# KiCad board SparkFun_BlueSMiRF-ESP32_panelized.kicad_pcb
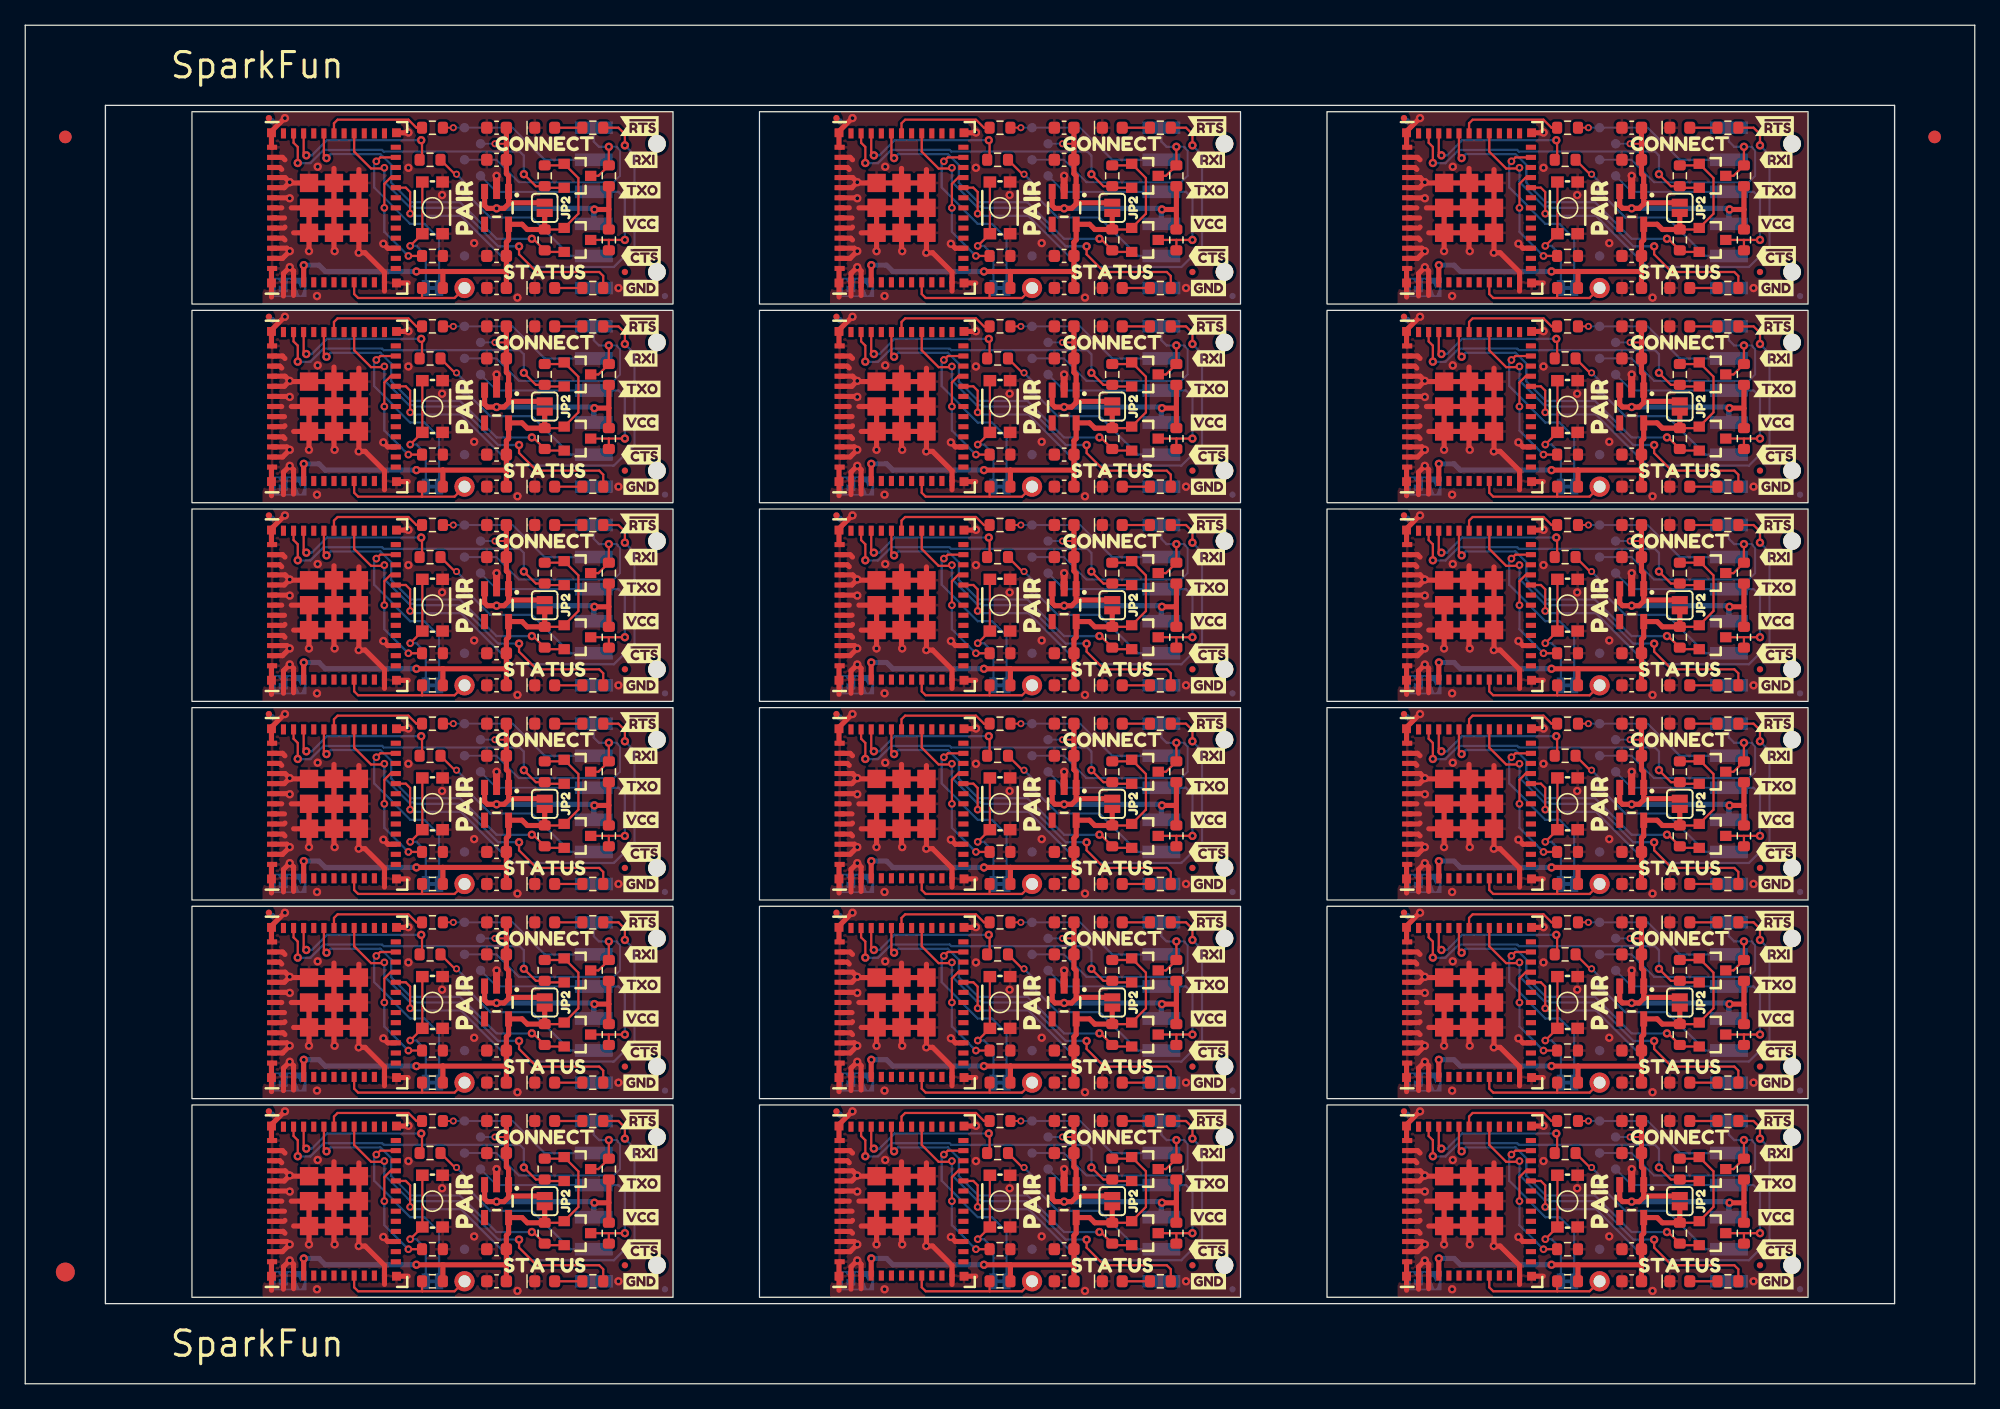
[diagram p0: board, top side]
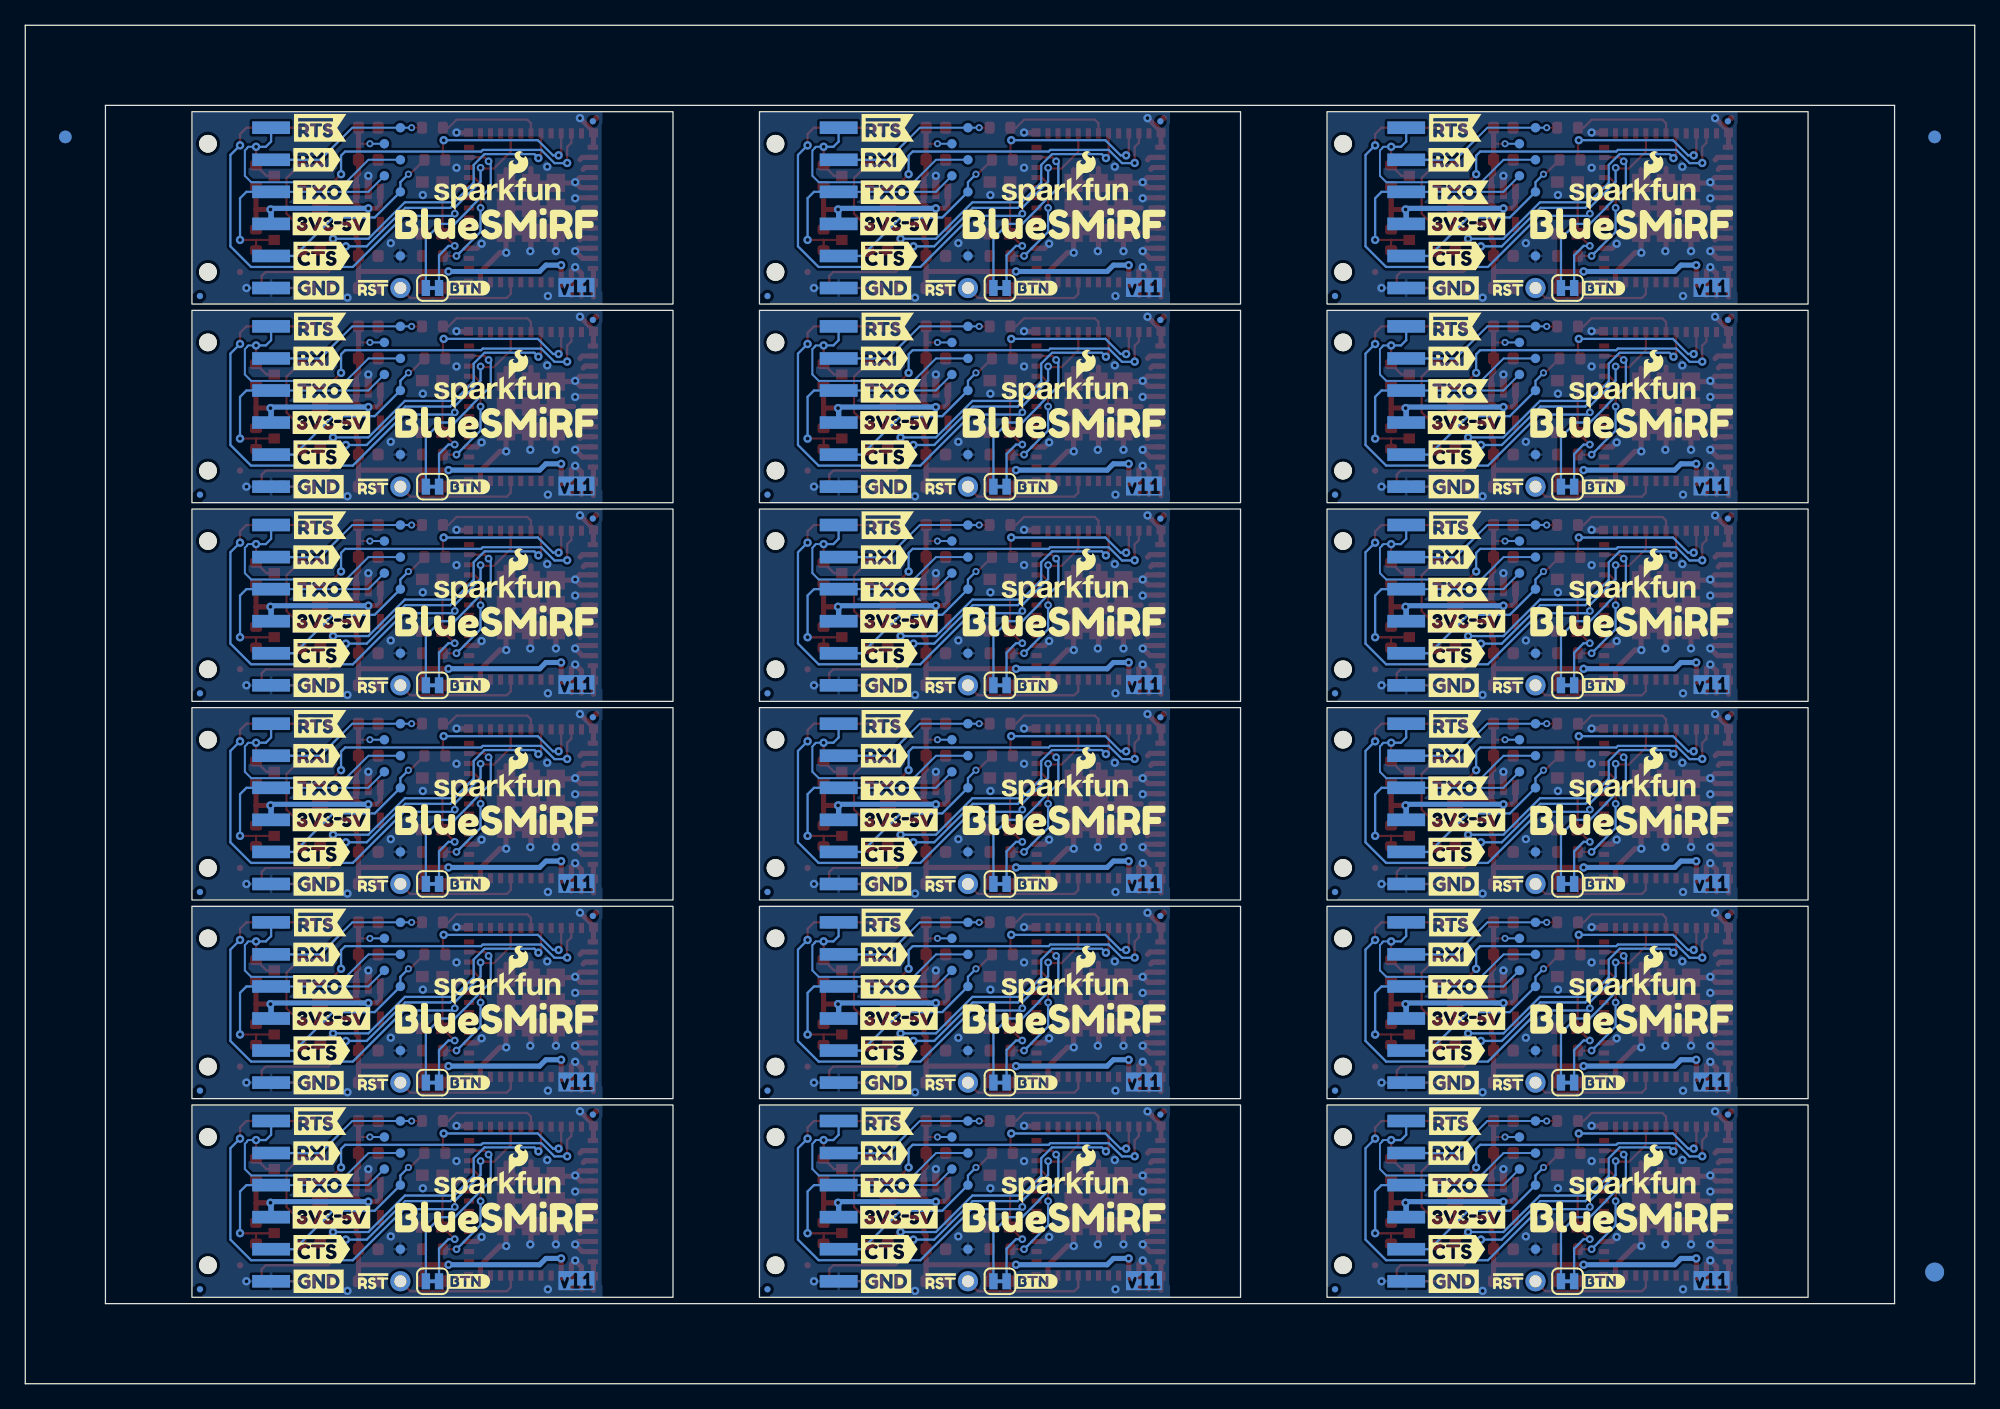
[diagram p1: board, bottom side, seen from below]

Outline 154.4 x 107.64 mm; copper layers: Top, Bottom. Coordinates in mm from the lower left corner of the outline.
Outline path: rectangle 13.2,100.79 51.3,85.55 ; rectangle 13.2,85.05 51.3,69.81 ; rectangle 13.2,69.31 51.3,54.07 ; rectangle 13.2,53.57 51.3,38.33 ; rectangle 13.2,37.83 51.3,22.59 ; rectangle 13.2,22.09 51.3,6.85 ; rectangle 58.15,100.79 96.25,85.55 ; rectangle 58.15,85.05 96.25,69.81 ; rectangle 58.15,69.31 96.25,54.07 ; rectangle 58.15,53.57 96.25,38.33 ; rectangle 58.15,37.83 96.25,22.59 ; rectangle 58.15,22.09 96.25,6.85 ; rectangle 103.1,100.79 141.2,85.55 ; rectangle 103.1,85.05 141.2,69.81 ; rectangle 103.1,69.31 141.2,54.07 ; rectangle 103.1,53.57 141.2,38.33 ; rectangle 103.1,37.83 141.2,22.59 ; rectangle 103.1,22.09 141.2,6.85 ; 0,107.64 154.4,107.64 154.4,0 0,0 0,107.64 ; 6.35,101.29 148.05,101.29 148.05,6.35 6.35,6.35 6.35,101.29
Stack: Top 0.035mm / dielectric 1.51mm FR4 er 4.5 / Bottom 0.035mm

## Placement (name value [footprint] x y rotation side)
C1  10uF  [C_0603_1608Metric]  127.23 49.76 180 top
C1#2  10uF  [C_0603_1608Metric]  127.23 18.28 180 top
C1#3  10uF  [C_0603_1608Metric]  37.33 65.5 180 top
C1#4  10uF  [C_0603_1608Metric]  82.28 18.28 180 top
C1#5  10uF  [C_0603_1608Metric]  82.28 49.76 180 top
C1#6  10uF  [C_0603_1608Metric]  82.28 65.5 180 top
C1#7  10uF  [C_0603_1608Metric]  82.28 81.24 180 top
C1#8  10uF  [C_0603_1608Metric]  37.33 96.98 180 top
C1#9  10uF  [C_0603_1608Metric]  37.33 34.02 180 top
C1#10  10uF  [C_0603_1608Metric]  127.23 65.5 180 top
C1#11  10uF  [C_0603_1608Metric]  37.33 18.28 180 top
C1#12  10uF  [C_0603_1608Metric]  37.33 49.76 180 top
C1#13  10uF  [C_0603_1608Metric]  127.23 96.98 180 top
C1#14  10uF  [C_0603_1608Metric]  127.23 34.02 180 top
C1#15  10uF  [C_0603_1608Metric]  37.33 81.24 180 top
C1#16  10uF  [C_0603_1608Metric]  82.28 96.98 180 top
C1#17  10uF  [C_0603_1608Metric]  127.23 81.24 180 top
C1#18  10uF  [C_0603_1608Metric]  82.28 34.02 180 top
C2  1.0uF  [C_0603_1608Metric]  82.28 20.82 180 top
C2#2  1.0uF  [C_0603_1608Metric]  82.28 83.78 180 top
C2#3  1.0uF  [C_0603_1608Metric]  127.23 36.56 180 top
C2#4  1.0uF  [C_0603_1608Metric]  37.33 20.82 180 top
C2#5  1.0uF  [C_0603_1608Metric]  127.23 68.04 180 top
C2#6  1.0uF  [C_0603_1608Metric]  37.33 52.3 180 top
C2#7  1.0uF  [C_0603_1608Metric]  127.23 20.82 180 top
C2#8  1.0uF  [C_0603_1608Metric]  82.28 52.3 180 top
C2#9  1.0uF  [C_0603_1608Metric]  82.28 36.56 180 top
C2#10  1.0uF  [C_0603_1608Metric]  37.33 83.78 180 top
C2#11  1.0uF  [C_0603_1608Metric]  127.23 99.52 180 top
C2#12  1.0uF  [C_0603_1608Metric]  37.33 99.52 180 top
C2#13  1.0uF  [C_0603_1608Metric]  37.33 36.56 180 top
C2#14  1.0uF  [C_0603_1608Metric]  82.28 99.52 180 top
C2#15  1.0uF  [C_0603_1608Metric]  37.33 68.04 180 top
C2#16  1.0uF  [C_0603_1608Metric]  127.23 52.3 180 top
C2#17  1.0uF  [C_0603_1608Metric]  127.23 83.78 180 top
C2#18  1.0uF  [C_0603_1608Metric]  82.28 68.04 180 top
C3  1.0uF  [C_0603_1608Metric]  82.28 73.62 180 top
C3#2  1.0uF  [C_0603_1608Metric]  127.23 26.4 180 top
C3#3  1.0uF  [C_0603_1608Metric]  82.28 57.88 180 top
C3#4  1.0uF  [C_0603_1608Metric]  37.33 73.62 180 top
C3#5  1.0uF  [C_0603_1608Metric]  37.33 42.14 180 top
C3#6  1.0uF  [C_0603_1608Metric]  127.23 10.66 180 top
C3#7  1.0uF  [C_0603_1608Metric]  37.33 26.4 180 top
C3#8  1.0uF  [C_0603_1608Metric]  37.33 89.36 180 top
C3#9  1.0uF  [C_0603_1608Metric]  127.23 42.14 180 top
C3#10  1.0uF  [C_0603_1608Metric]  37.33 10.66 180 top
C3#11  1.0uF  [C_0603_1608Metric]  82.28 89.36 180 top
C3#12  1.0uF  [C_0603_1608Metric]  127.23 73.62 180 top
C3#13  1.0uF  [C_0603_1608Metric]  127.23 89.36 180 top
C3#14  1.0uF  [C_0603_1608Metric]  127.23 57.88 180 top
C3#15  1.0uF  [C_0603_1608Metric]  82.28 42.14 180 top
C3#16  1.0uF  [C_0603_1608Metric]  82.28 26.4 180 top
C3#17  1.0uF  [C_0603_1608Metric]  82.28 10.66 180 top
C3#18  1.0uF  [C_0603_1608Metric]  37.33 57.88 180 top
C4  10uF  [C_0603_1608Metric]  37.33 23.86 180 top
C4#2  10uF  [C_0603_1608Metric]  37.33 86.82 180 top
C4#3  10uF  [C_0603_1608Metric]  37.33 39.6 180 top
C4#4  10uF  [C_0603_1608Metric]  37.33 55.34 180 top
C4#5  10uF  [C_0603_1608Metric]  127.23 55.34 180 top
C4#6  10uF  [C_0603_1608Metric]  82.28 39.6 180 top
C4#7  10uF  [C_0603_1608Metric]  37.33 8.12 180 top
C4#8  10uF  [C_0603_1608Metric]  82.28 55.34 180 top
C4#9  10uF  [C_0603_1608Metric]  82.28 23.86 180 top
C4#10  10uF  [C_0603_1608Metric]  127.23 86.82 180 top
C4#11  10uF  [C_0603_1608Metric]  82.28 86.82 180 top
C4#12  10uF  [C_0603_1608Metric]  127.23 71.08 180 top
C4#13  10uF  [C_0603_1608Metric]  82.28 71.08 180 top
C4#14  10uF  [C_0603_1608Metric]  127.23 39.6 180 top
C4#15  10uF  [C_0603_1608Metric]  127.23 8.12 180 top
C4#16  10uF  [C_0603_1608Metric]  37.33 71.08 180 top
C4#17  10uF  [C_0603_1608Metric]  82.28 8.12 180 top
C4#18  10uF  [C_0603_1608Metric]  127.23 23.86 180 top
D1  Green  [LED_0603_1608Metric]  131.04 99.52 0 top
D1#2  Green  [LED_0603_1608Metric]  131.04 83.78 0 top
D1#3  Green  [LED_0603_1608Metric]  41.14 20.82 0 top
D1#4  Green  [LED_0603_1608Metric]  86.09 68.04 0 top
D1#5  Green  [LED_0603_1608Metric]  86.09 52.3 0 top
D1#6  Green  [LED_0603_1608Metric]  41.14 36.56 0 top
D1#7  Green  [LED_0603_1608Metric]  131.04 52.3 0 top
D1#8  Green  [LED_0603_1608Metric]  41.14 52.3 0 top
D1#9  Green  [LED_0603_1608Metric]  131.04 20.82 0 top
D1#10  Green  [LED_0603_1608Metric]  41.14 99.52 0 top
D1#11  Green  [LED_0603_1608Metric]  131.04 68.04 0 top
D1#12  Green  [LED_0603_1608Metric]  86.09 20.82 0 top
D1#13  Green  [LED_0603_1608Metric]  41.14 83.78 0 top
D1#14  Green  [LED_0603_1608Metric]  131.04 36.56 0 top
D1#15  Green  [LED_0603_1608Metric]  86.09 99.52 0 top
D1#16  Green  [LED_0603_1608Metric]  41.14 68.04 0 top
D1#17  Green  [LED_0603_1608Metric]  86.09 83.78 0 top
D1#18  Green  [LED_0603_1608Metric]  86.09 36.56 0 top
D2  Red  [LED_0603_1608Metric]  131.04 86.82 0 top
D2#2  Red  [LED_0603_1608Metric]  131.04 8.12 0 top
D2#3  Red  [LED_0603_1608Metric]  41.14 39.6 0 top
D2#4  Red  [LED_0603_1608Metric]  86.09 39.6 0 top
D2#5  Red  [LED_0603_1608Metric]  41.14 8.12 0 top
D2#6  Red  [LED_0603_1608Metric]  86.09 55.34 0 top
D2#7  Red  [LED_0603_1608Metric]  131.04 55.34 0 top
D2#8  Red  [LED_0603_1608Metric]  41.14 23.86 0 top
D2#9  Red  [LED_0603_1608Metric]  41.14 86.82 0 top
D2#10  Red  [LED_0603_1608Metric]  41.14 55.34 0 top
D2#11  Red  [LED_0603_1608Metric]  86.09 71.08 0 top
D2#12  Red  [LED_0603_1608Metric]  86.09 23.86 0 top
D2#13  Red  [LED_0603_1608Metric]  86.09 86.82 0 top
D2#14  Red  [LED_0603_1608Metric]  131.04 23.86 0 top
D2#15  Red  [LED_0603_1608Metric]  131.04 71.08 0 top
D2#16  Red  [LED_0603_1608Metric]  86.09 8.12 0 top
D2#17  Red  [LED_0603_1608Metric]  131.04 39.6 0 top
D2#18  Red  [LED_0603_1608Metric]  41.14 71.08 0 top
FID1  Fiducial_0.5  [Fiducial_0.5mm_Mask1mm]  92.44 9.39 0 top
FID1#2  Fiducial_0.5  [Fiducial_0.5mm_Mask1mm]  92.44 88.09 0 top
FID1#3  Fiducial_0.5  [Fiducial_0.5mm_Mask1mm]  92.44 72.35 0 top
FID1#4  Fiducial_0.5  [Fiducial_0.5mm_Mask1mm]  47.49 25.13 0 top
FID1#5  Fiducial_0.5  [Fiducial_0.5mm_Mask1mm]  137.39 9.39 0 top
FID1#6  Fiducial_0.5  [Fiducial_0.5mm_Mask1mm]  137.39 56.61 0 top
FID1#7  Fiducial_0.5  [Fiducial_0.5mm_Mask1mm]  137.39 40.87 0 top
FID1#8  Fiducial_0.5  [Fiducial_0.5mm_Mask1mm]  47.49 72.35 0 top
FID1#9  Fiducial_0.5  [Fiducial_0.5mm_Mask1mm]  47.49 56.61 0 top
FID1#10  Fiducial_0.5  [Fiducial_0.5mm_Mask1mm]  137.39 88.09 0 top
FID1#11  Fiducial_0.5  [Fiducial_0.5mm_Mask1mm]  47.49 88.09 0 top
FID1#12  Fiducial_0.5  [Fiducial_0.5mm_Mask1mm]  137.39 72.35 0 top
FID1#13  Fiducial_0.5  [Fiducial_0.5mm_Mask1mm]  92.44 25.13 0 top
FID1#14  Fiducial_0.5  [Fiducial_0.5mm_Mask1mm]  92.44 40.87 0 top
FID1#15  Fiducial_0.5  [Fiducial_0.5mm_Mask1mm]  137.39 25.13 0 top
FID1#16  Fiducial_0.5  [Fiducial_0.5mm_Mask1mm]  47.49 40.87 0 top
FID1#17  Fiducial_0.5  [Fiducial_0.5mm_Mask1mm]  47.49 9.39 0 top
FID1#18  Fiducial_0.5  [Fiducial_0.5mm_Mask1mm]  92.44 56.61 0 top
FID2  Fiducial_0.5  [Fiducial_0.5mm_Mask1mm]  109.2 84.54 0 top
FID2#2  Fiducial_0.5  [Fiducial_0.5mm_Mask1mm]  19.3 100.28 0 top
FID2#3  Fiducial_0.5  [Fiducial_0.5mm_Mask1mm]  109.2 37.32 0 top
FID2#4  Fiducial_0.5  [Fiducial_0.5mm_Mask1mm]  109.2 21.58 0 top
FID2#5  Fiducial_0.5  [Fiducial_0.5mm_Mask1mm]  64.25 37.32 0 top
FID2#6  Fiducial_0.5  [Fiducial_0.5mm_Mask1mm]  64.25 53.06 0 top
FID2#7  Fiducial_0.5  [Fiducial_0.5mm_Mask1mm]  19.3 37.32 0 top
FID2#8  Fiducial_0.5  [Fiducial_0.5mm_Mask1mm]  19.3 84.54 0 top
FID2#9  Fiducial_0.5  [Fiducial_0.5mm_Mask1mm]  64.25 68.8 0 top
FID2#10  Fiducial_0.5  [Fiducial_0.5mm_Mask1mm]  19.3 21.58 0 top
FID2#11  Fiducial_0.5  [Fiducial_0.5mm_Mask1mm]  64.25 21.58 0 top
FID2#12  Fiducial_0.5  [Fiducial_0.5mm_Mask1mm]  19.3 53.06 0 top
FID2#13  Fiducial_0.5  [Fiducial_0.5mm_Mask1mm]  109.2 68.8 0 top
FID2#14  Fiducial_0.5  [Fiducial_0.5mm_Mask1mm]  19.3 68.8 0 top
FID2#15  Fiducial_0.5  [Fiducial_0.5mm_Mask1mm]  64.25 84.54 0 top
FID2#16  Fiducial_0.5  [Fiducial_0.5mm_Mask1mm]  109.2 100.28 0 top
FID2#17  Fiducial_0.5  [Fiducial_0.5mm_Mask1mm]  64.25 100.28 0 top
FID2#18  Fiducial_0.5  [Fiducial_0.5mm_Mask1mm]  109.2 53.06 0 top
FID3  Fiducial_0.5  [Fiducial_0.5mm_Mask1mm]  140.56 38.97 180 bottom
FID3#2  Fiducial_0.5  [Fiducial_0.5mm_Mask1mm]  140.56 70.45 180 bottom
FID3#3  Fiducial_0.5  [Fiducial_0.5mm_Mask1mm]  50.66 38.97 180 bottom
FID3#4  Fiducial_0.5  [Fiducial_0.5mm_Mask1mm]  50.66 23.23 180 bottom
FID3#5  Fiducial_0.5  [Fiducial_0.5mm_Mask1mm]  50.66 70.45 180 bottom
FID3#6  Fiducial_0.5  [Fiducial_0.5mm_Mask1mm]  95.62 38.97 180 bottom
FID3#7  Fiducial_0.5  [Fiducial_0.5mm_Mask1mm]  50.66 86.19 180 bottom
FID3#8  Fiducial_0.5  [Fiducial_0.5mm_Mask1mm]  95.62 23.23 180 bottom
FID3#9  Fiducial_0.5  [Fiducial_0.5mm_Mask1mm]  140.56 7.49 180 bottom
FID3#10  Fiducial_0.5  [Fiducial_0.5mm_Mask1mm]  140.56 86.19 180 bottom
FID3#11  Fiducial_0.5  [Fiducial_0.5mm_Mask1mm]  50.66 54.71 180 bottom
FID3#12  Fiducial_0.5  [Fiducial_0.5mm_Mask1mm]  95.62 54.71 180 bottom
FID3#13  Fiducial_0.5  [Fiducial_0.5mm_Mask1mm]  95.62 86.19 180 bottom
FID3#14  Fiducial_0.5  [Fiducial_0.5mm_Mask1mm]  95.62 7.49 180 bottom
FID3#15  Fiducial_0.5  [Fiducial_0.5mm_Mask1mm]  50.66 7.49 180 bottom
FID3#16  Fiducial_0.5  [Fiducial_0.5mm_Mask1mm]  95.62 70.45 180 bottom
FID3#17  Fiducial_0.5  [Fiducial_0.5mm_Mask1mm]  140.56 23.23 180 bottom
FID3#18  Fiducial_0.5  [Fiducial_0.5mm_Mask1mm]  140.56 54.71 180 bottom
FID4  Fiducial_0.5  [Fiducial_0.5mm_Mask1mm]  109.45 52.81 180 bottom
FID4#2  Fiducial_0.5  [Fiducial_0.5mm_Mask1mm]  64.5 37.07 180 bottom
FID4#3  Fiducial_0.5  [Fiducial_0.5mm_Mask1mm]  109.45 21.33 180 bottom
FID4#4  Fiducial_0.5  [Fiducial_0.5mm_Mask1mm]  19.55 68.55 180 bottom
FID4#5  Fiducial_0.5  [Fiducial_0.5mm_Mask1mm]  64.5 21.33 180 bottom
FID4#6  Fiducial_0.5  [Fiducial_0.5mm_Mask1mm]  109.45 68.55 180 bottom
FID4#7  Fiducial_0.5  [Fiducial_0.5mm_Mask1mm]  109.45 84.29 180 bottom
FID4#8  Fiducial_0.5  [Fiducial_0.5mm_Mask1mm]  64.5 68.55 180 bottom
FID4#9  Fiducial_0.5  [Fiducial_0.5mm_Mask1mm]  109.45 100.03 180 bottom
FID4#10  Fiducial_0.5  [Fiducial_0.5mm_Mask1mm]  109.45 37.07 180 bottom
FID4#11  Fiducial_0.5  [Fiducial_0.5mm_Mask1mm]  64.5 100.03 180 bottom
FID4#12  Fiducial_0.5  [Fiducial_0.5mm_Mask1mm]  19.55 84.29 180 bottom
FID4#13  Fiducial_0.5  [Fiducial_0.5mm_Mask1mm]  19.55 37.07 180 bottom
FID4#14  Fiducial_0.5  [Fiducial_0.5mm_Mask1mm]  64.5 84.29 180 bottom
FID4#15  Fiducial_0.5  [Fiducial_0.5mm_Mask1mm]  19.55 100.03 180 bottom
FID4#16  Fiducial_0.5  [Fiducial_0.5mm_Mask1mm]  19.55 21.33 180 bottom
FID4#17  Fiducial_0.5  [Fiducial_0.5mm_Mask1mm]  64.5 52.81 180 bottom
FID4#18  Fiducial_0.5  [Fiducial_0.5mm_Mask1mm]  19.55 52.81 180 bottom
G2  OSHW_Logo  [Creative_Commons_License]  36.06 -5.85 0 top
G***  LOGO  [SparkFun_Logo_10mm]  117.07 15.74 180 bottom
G***#2  LOGO  [SparkFun_Logo_10mm]  72.12 31.48 180 bottom
G***#3  LOGO  [SparkFun_Logo_10mm]  72.12 94.44 180 bottom
G***#4  LOGO  [SparkFun_Logo_10mm]  27.17 94.44 180 bottom
G***#5  LOGO  [SparkFun_Logo_10mm]  72.12 47.22 180 bottom
G***#6  LOGO  [SparkFun_Logo_10mm]  117.07 31.48 180 bottom
G***#7  LOGO  [SparkFun_Logo_10mm]  27.17 31.48 180 bottom
G***#8  LOGO  [SparkFun_Logo_10mm]  72.12 78.7 180 bottom
G***#9  LOGO  [SparkFun_Logo_10mm]  27.17 62.96 180 bottom
G***#10  LOGO  [SparkFun_Logo_10mm]  117.07 62.96 180 bottom
G***#11  LOGO  [SparkFun_Logo_10mm]  117.07 78.7 180 bottom
G***#12  LOGO  [SparkFun_Logo_10mm]  27.17 15.74 180 bottom
G***#13  LOGO  [SparkFun_Logo_10mm]  27.17 78.7 180 bottom
G***#14  LOGO  [SparkFun_Logo_10mm]  72.12 15.74 180 bottom
G***#15  LOGO  [SparkFun_Logo_10mm]  117.07 94.44 180 bottom
G***#16  LOGO  [SparkFun_Logo_10mm]  72.12 62.96 180 bottom
G***#17  LOGO  [SparkFun_Logo_10mm]  27.17 47.22 180 bottom
G***#18  LOGO  [SparkFun_Logo_10mm]  117.07 47.22 180 bottom
J1  Conn_01x06  [1X06-SMD_RA_MALE]  139.93 14.47 270 bottom
J1#2  Conn_01x06  [1X06-SMD_RA_MALE]  94.98 30.21 270 bottom
J1#3  Conn_01x06  [1X06-SMD_RA_MALE]  94.98 77.43 270 bottom
J1#4  Conn_01x06  [1X06-SMD_RA_MALE]  50.03 45.95 270 bottom
J1#5  Conn_01x06  [1X06-SMD_RA_MALE]  50.03 14.47 270 bottom
J1#6  Conn_01x06  [1X06-SMD_RA_MALE]  139.93 45.95 270 bottom
J1#7  Conn_01x06  [1X06-SMD_RA_MALE]  50.03 30.21 270 bottom
J1#8  Conn_01x06  [1X06-SMD_RA_MALE]  139.93 77.43 270 bottom
J1#9  Conn_01x06  [1X06-SMD_RA_MALE]  139.93 61.69 270 bottom
J1#10  Conn_01x06  [1X06-SMD_RA_MALE]  94.98 93.17 270 bottom
J1#11  Conn_01x06  [1X06-SMD_RA_MALE]  94.98 45.95 270 bottom
J1#12  Conn_01x06  [1X06-SMD_RA_MALE]  139.93 93.17 270 bottom
J1#13  Conn_01x06  [1X06-SMD_RA_MALE]  50.03 77.43 270 bottom
J1#14  Conn_01x06  [1X06-SMD_RA_MALE]  94.98 61.69 270 bottom
J1#15  Conn_01x06  [1X06-SMD_RA_MALE]  50.03 61.69 270 bottom
J1#16  Conn_01x06  [1X06-SMD_RA_MALE]  50.03 93.17 270 bottom
J1#17  Conn_01x06  [1X06-SMD_RA_MALE]  94.98 14.47 270 bottom
J1#18  Conn_01x06  [1X06-SMD_RA_MALE]  139.93 30.21 270 bottom
JP1  ~  [SMT-JUMPER_2_NC_TRACE_SILK]  122.15 39.6 0 bottom
JP1#2  ~  [SMT-JUMPER_2_NC_TRACE_SILK]  77.2 86.82 0 bottom
JP1#3  ~  [SMT-JUMPER_2_NC_TRACE_SILK]  32.25 71.08 0 bottom
JP1#4  ~  [SMT-JUMPER_2_NC_TRACE_SILK]  77.2 71.08 0 bottom
JP1#5  ~  [SMT-JUMPER_2_NC_TRACE_SILK]  77.2 23.86 0 bottom
JP1#6  ~  [SMT-JUMPER_2_NC_TRACE_SILK]  122.15 23.86 0 bottom
JP1#7  ~  [SMT-JUMPER_2_NC_TRACE_SILK]  122.15 55.34 0 bottom
JP1#8  ~  [SMT-JUMPER_2_NC_TRACE_SILK]  122.15 86.82 0 bottom
JP1#9  ~  [SMT-JUMPER_2_NC_TRACE_SILK]  122.15 8.12 0 bottom
JP1#10  ~  [SMT-JUMPER_2_NC_TRACE_SILK]  32.25 39.6 0 bottom
JP1#11  ~  [SMT-JUMPER_2_NC_TRACE_SILK]  32.25 23.86 0 bottom
JP1#12  ~  [SMT-JUMPER_2_NC_TRACE_SILK]  32.25 86.82 0 bottom
JP1#13  ~  [SMT-JUMPER_2_NC_TRACE_SILK]  32.25 55.34 0 bottom
JP1#14  ~  [SMT-JUMPER_2_NC_TRACE_SILK]  77.2 8.12 0 bottom
JP1#15  ~  [SMT-JUMPER_2_NC_TRACE_SILK]  77.2 39.6 0 bottom
JP1#16  ~  [SMT-JUMPER_2_NC_TRACE_SILK]  77.2 55.34 0 bottom
JP1#17  ~  [SMT-JUMPER_2_NC_TRACE_SILK]  122.15 71.08 0 bottom
JP1#18  ~  [SMT-JUMPER_2_NC_TRACE_SILK]  32.25 8.12 0 bottom
JP2  ~  [SMT-JUMPER_2_NO_SILK]  41.14 61.69 270 top
JP2#2  ~  [SMT-JUMPER_2_NO_SILK]  41.14 77.43 270 top
JP2#3  ~  [SMT-JUMPER_2_NO_SILK]  41.14 14.47 270 top
JP2#4  ~  [SMT-JUMPER_2_NO_SILK]  41.14 30.21 270 top
JP2#5  ~  [SMT-JUMPER_2_NO_SILK]  86.09 45.95 270 top
JP2#6  ~  [SMT-JUMPER_2_NO_SILK]  131.04 45.95 270 top
JP2#7  ~  [SMT-JUMPER_2_NO_SILK]  41.14 45.95 270 top
JP2#8  ~  [SMT-JUMPER_2_NO_SILK]  86.09 30.21 270 top
JP2#9  ~  [SMT-JUMPER_2_NO_SILK]  86.09 77.43 270 top
JP2#10  ~  [SMT-JUMPER_2_NO_SILK]  86.09 93.17 270 top
JP2#11  ~  [SMT-JUMPER_2_NO_SILK]  86.09 14.47 270 top
JP2#12  ~  [SMT-JUMPER_2_NO_SILK]  131.04 93.17 270 top
JP2#13  ~  [SMT-JUMPER_2_NO_SILK]  131.04 30.21 270 top
JP2#14  ~  [SMT-JUMPER_2_NO_SILK]  131.04 61.69 270 top
JP2#15  ~  [SMT-JUMPER_2_NO_SILK]  86.09 61.69 270 top
JP2#16  ~  [SMT-JUMPER_2_NO_SILK]  41.14 93.17 270 top
JP2#17  ~  [SMT-JUMPER_2_NO_SILK]  131.04 77.43 270 top
JP2#18  ~  [SMT-JUMPER_2_NO_SILK]  131.04 14.47 270 top
kibuzzard-64C47F40  G***  [kibuzzard-64C47F40]  27.17 44.68 180 bottom
kibuzzard-64C47F40#2  G***  [kibuzzard-64C47F40]  27.17 60.42 180 bottom
kibuzzard-64C47F40#3  G***  [kibuzzard-64C47F40]  72.12 28.94 180 bottom
kibuzzard-64C47F40#4  G***  [kibuzzard-64C47F40]  27.17 91.9 180 bottom
kibuzzard-64C47F40#5  G***  [kibuzzard-64C47F40]  117.07 28.94 180 bottom
kibuzzard-64C47F40#6  G***  [kibuzzard-64C47F40]  72.12 44.68 180 bottom
kibuzzard-64C47F40#7  G***  [kibuzzard-64C47F40]  72.12 76.16 180 bottom
kibuzzard-64C47F40#8  G***  [kibuzzard-64C47F40]  72.12 13.2 180 bottom
kibuzzard-64C47F40#9  G***  [kibuzzard-64C47F40]  72.12 60.42 180 bottom
kibuzzard-64C47F40#10  G***  [kibuzzard-64C47F40]  117.07 60.42 180 bottom
kibuzzard-64C47F40#11  G***  [kibuzzard-64C47F40]  27.17 13.2 180 bottom
kibuzzard-64C47F40#12  G***  [kibuzzard-64C47F40]  117.07 44.68 180 bottom
kibuzzard-64C47F40#13  G***  [kibuzzard-64C47F40]  117.07 13.2 180 bottom
kibuzzard-64C47F40#14  G***  [kibuzzard-64C47F40]  117.07 76.16 180 bottom
kibuzzard-64C47F40#15  G***  [kibuzzard-64C47F40]  27.17 76.16 180 bottom
kibuzzard-64C47F40#16  G***  [kibuzzard-64C47F40]  27.17 28.94 180 bottom
kibuzzard-64C47F40#17  G***  [kibuzzard-64C47F40]  72.12 91.9 180 bottom
kibuzzard-64C47F40#18  G***  [kibuzzard-64C47F40]  117.07 91.9 180 bottom
kibuzzard-64C4846C  G***  [kibuzzard-64C4846C]  48.76 39.6 0 top
kibuzzard-64C4846C#2  G***  [kibuzzard-64C4846C]  48.76 71.08 0 top
kibuzzard-64C4846C#3  G***  [kibuzzard-64C4846C]  48.76 86.82 0 top
kibuzzard-64C4846C#4  G***  [kibuzzard-64C4846C]  138.66 39.6 0 top
kibuzzard-64C4846C#5  G***  [kibuzzard-64C4846C]  138.66 23.86 0 top
kibuzzard-64C4846C#6  G***  [kibuzzard-64C4846C]  93.71 55.34 0 top
kibuzzard-64C4846C#7  G***  [kibuzzard-64C4846C]  93.71 71.08 0 top
kibuzzard-64C4846C#8  G***  [kibuzzard-64C4846C]  93.71 39.6 0 top
kibuzzard-64C4846C#9  G***  [kibuzzard-64C4846C]  93.71 8.12 0 top
kibuzzard-64C4846C#10  G***  [kibuzzard-64C4846C]  48.76 23.86 0 top
kibuzzard-64C4846C#11  G***  [kibuzzard-64C4846C]  48.76 8.12 0 top
kibuzzard-64C4846C#12  G***  [kibuzzard-64C4846C]  138.66 8.12 0 top
kibuzzard-64C4846C#13  G***  [kibuzzard-64C4846C]  138.66 71.08 0 top
kibuzzard-64C4846C#14  G***  [kibuzzard-64C4846C]  93.71 86.82 0 top
kibuzzard-64C4846C#15  G***  [kibuzzard-64C4846C]  138.66 55.34 0 top
kibuzzard-64C4846C#16  G***  [kibuzzard-64C4846C]  48.76 55.34 0 top
kibuzzard-64C4846C#17  G***  [kibuzzard-64C4846C]  93.71 23.86 0 top
kibuzzard-64C4846C#18  G***  [kibuzzard-64C4846C]  138.66 86.82 0 top
kibuzzard-64C48455  G***  [kibuzzard-64C48455]  48.76 13.2 0 top
kibuzzard-64C48455#2  G***  [kibuzzard-64C48455]  48.76 28.94 0 top
kibuzzard-64C48455#3  G***  [kibuzzard-64C48455]  93.71 76.16 0 top
kibuzzard-64C48455#4  G***  [kibuzzard-64C48455]  138.66 76.16 0 top
kibuzzard-64C48455#5  G***  [kibuzzard-64C48455]  138.66 13.2 0 top
kibuzzard-64C48455#6  G***  [kibuzzard-64C48455]  93.71 13.2 0 top
kibuzzard-64C48455#7  G***  [kibuzzard-64C48455]  48.76 91.9 0 top
kibuzzard-64C48455#8  G***  [kibuzzard-64C48455]  138.66 44.68 0 top
kibuzzard-64C48455#9  G***  [kibuzzard-64C48455]  93.71 28.94 0 top